# Allegro board board_orcad.brd (continued)
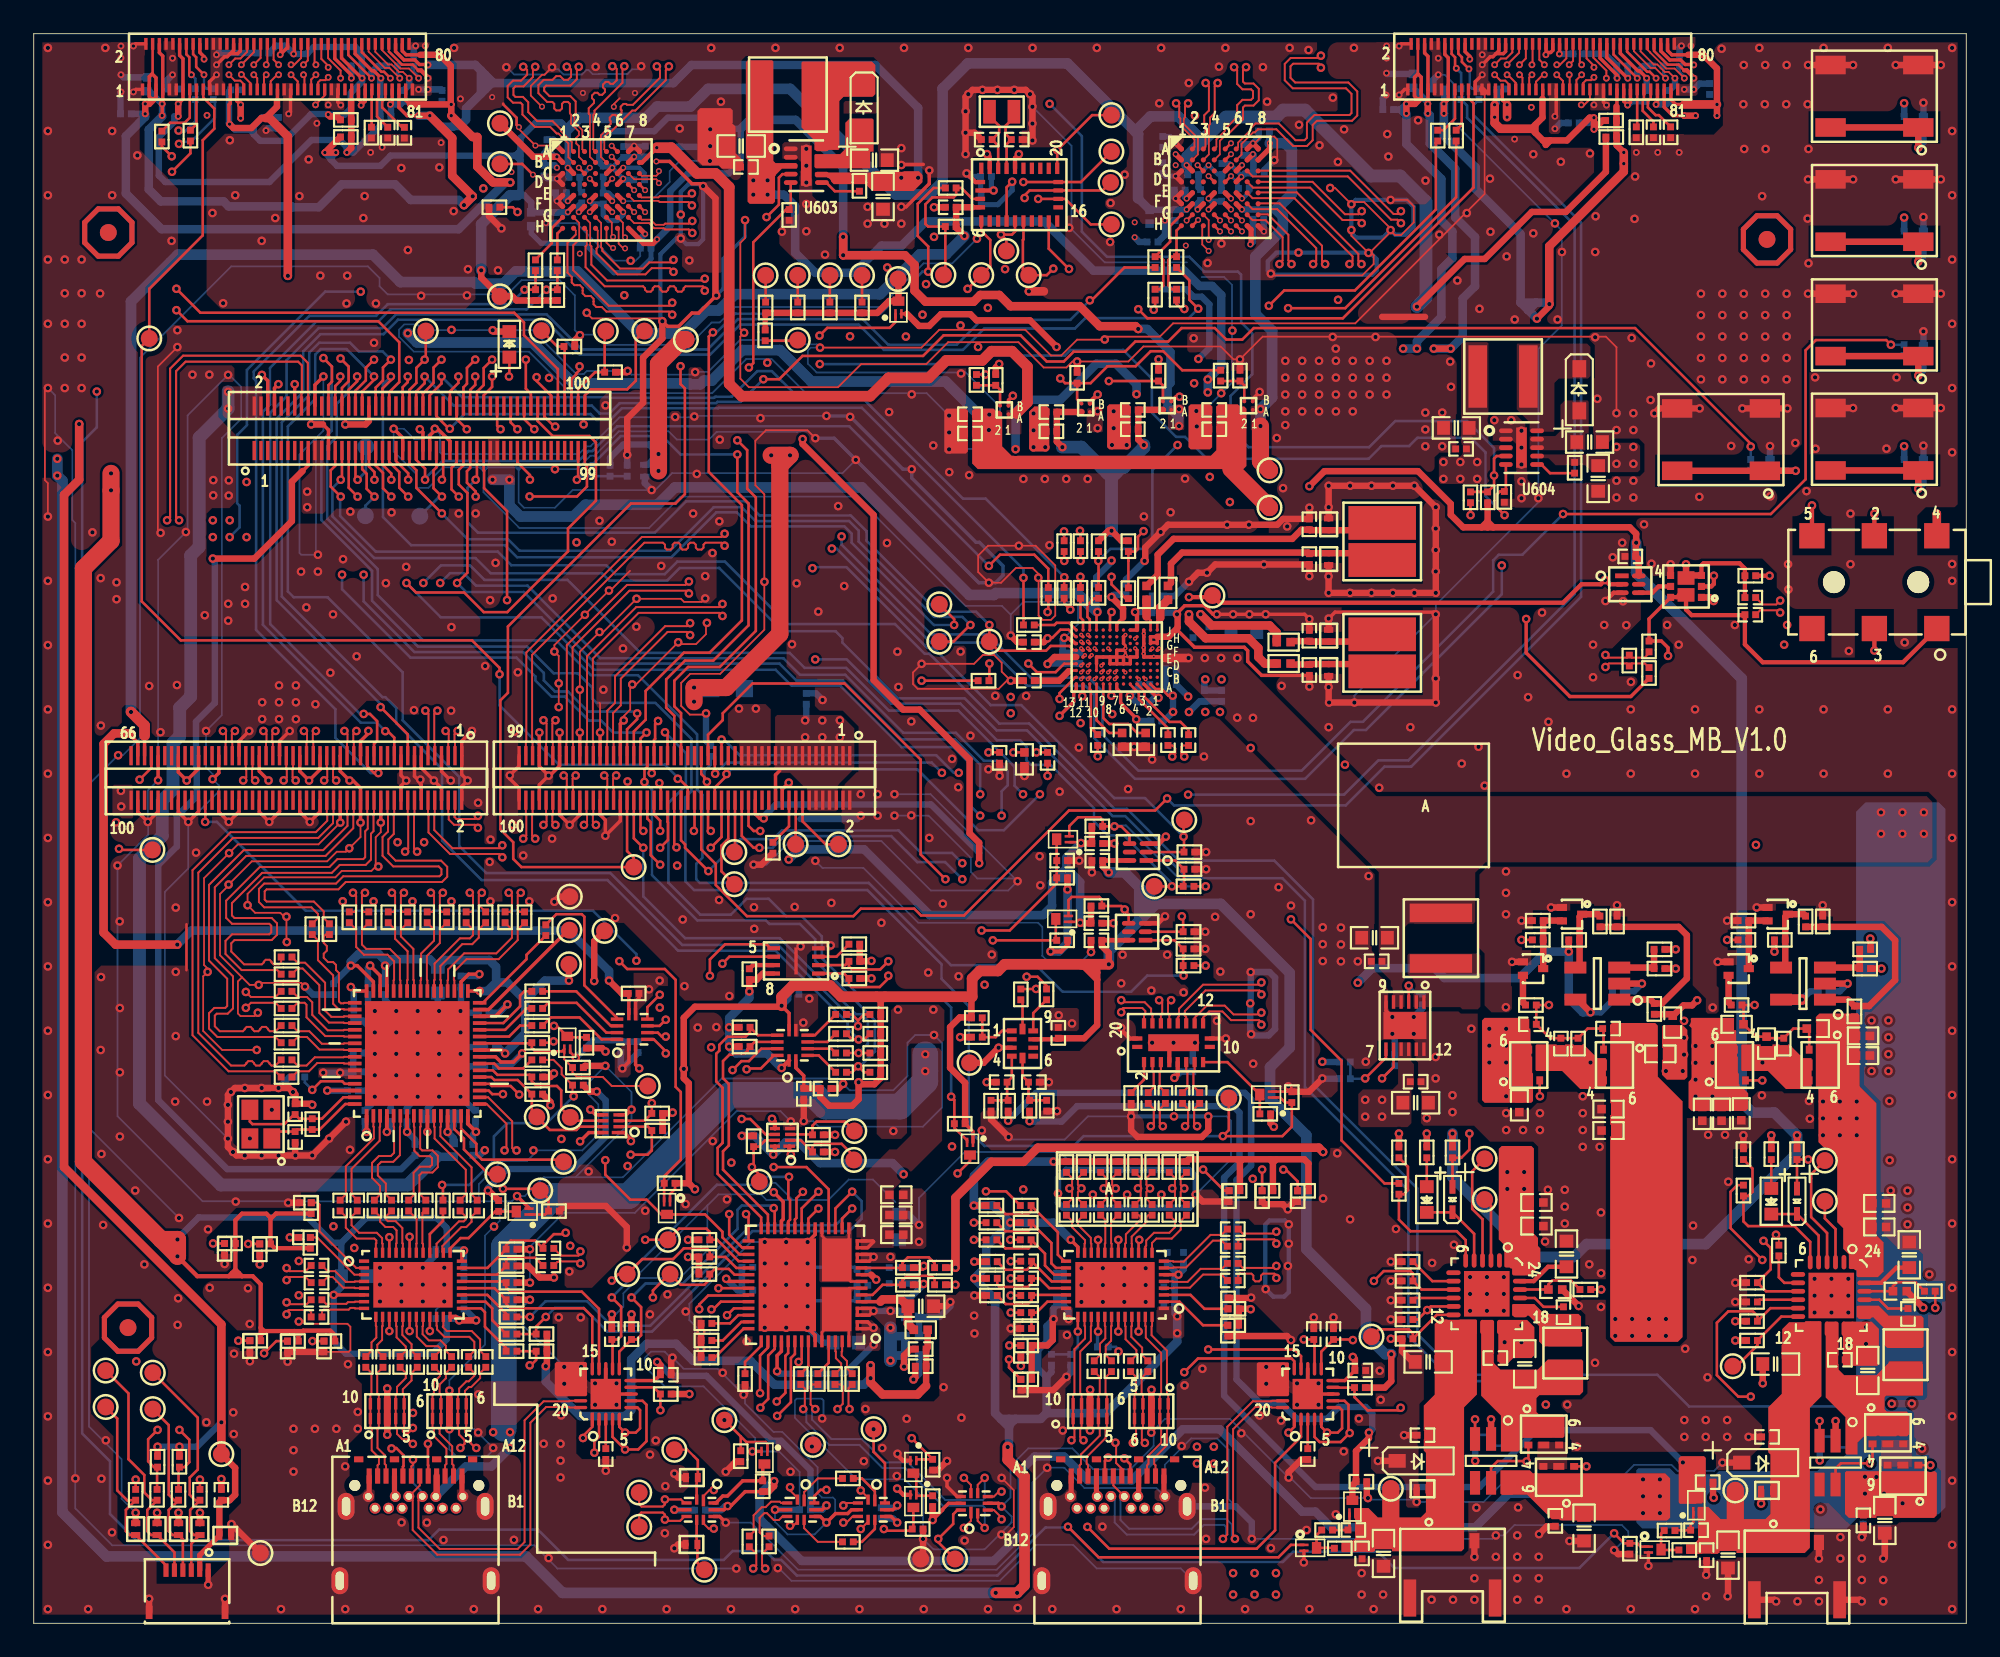
[diagram p0: board, top side]
## Footprints (pads in the part's own frame, mm; a bottom-side part is the same pattern mirrored in y, then rotated) (continued)
TPS65988DJ_QFN56
  rect 0.2x0.6 smd: (-3.1,2.4) (-3.1,1.6) (-3.1,-1.6) (-3.1,-2.4)
  rect 0.7x0.2 smd: 1(-3.35,2.6) 2(-3.35,2.2) 3(-3.35,1.8) 4(-3.35,1.4) 5(-3.35,1) 6(-3.35,0.6) 7(-3.35,0.2) 8(-3.35,-0.2) 9(-3.35,-0.6) 10(-3.35,-1) 11(-3.35,-1.4) 12(-3.35,-1.8) 13(-3.35,-2.2) 14(-3.35,-2.6) 29(3.35,-2.6) 30(3.35,-2.2) 31(3.35,-1.8) 32(3.35,-1.4) 33(3.35,-1) 34(3.35,-0.6) 35(3.35,-0.2) 36(3.35,0.2) 37(3.35,0.6) 38(3.35,1) 39(3.35,1.4) 40(3.35,1.8) 41(3.35,2.2) 42(3.35,2.6)
  rect 0.2x0.7 smd: 15(-2.6,-3.35) 16(-2.2,-3.35) 17(-1.8,-3.35) 18(-1.4,-3.35) 19(-1,-3.35) 20(-0.6,-3.35) 21(-0.2,-3.35) 22(0.2,-3.35) 23(0.6,-3.35) 24(1,-3.35) 25(1.4,-3.35) 26(1.8,-3.35) 27(2.2,-3.35) 28(2.6,-3.35) 43(2.6,3.35) 44(2.2,3.35) 45(1.8,3.35) 46(1.4,3.35) 47(1,3.35) 48(0.6,3.35) 49(0.2,3.35) 50(-0.2,3.35) 51(-0.6,3.35) 52(-1,3.35) 53(-1.4,3.35) 54(-1.8,3.35) 55(-2.2,3.35) 56(-2.6,3.35)
  rect 1.75x2.6 smd: 57(-1.875,1.45)
  rect 1.75x2.55 smd: 58(-1.875,-1.475)
  rect 3.4x5.5 smd: 59(1.05,0)
TS3USB30E_UQFN
  rect 0.7x0.2 smd: 1(-0.55,0.2)
  rect 0.6x0.2 smd: 2(-0.6,-0.2) 6(0.6,-0.2) 7(0.6,0.2)
  rect 0.2x0.6 smd: 3(-0.4,-0.8) 4(0,-0.8) 5(0.4,-0.8) 8(0.4,0.8) 9(0,0.8) 10(-0.4,0.8)
TSOT-23-6
  rect 0.6x1.4 smd: 1(-0.95,-1.3) 2(0,-1.3) 3(0.95,-1.3) 4(0.95,1.3) 5(0,1.3) 6(-0.95,1.3)
TUSB564_WQFN40
  rect 0.6x0.2 smd: 1(-2.9,1.4) 2(-2.9,1) 3(-2.9,0.6) 4(-2.9,0.2) 5(-2.9,-0.2) 6(-2.9,-0.6) 7(-2.9,-1) 8(-2.9,-1.4) 21(2.9,-1.4) 22(2.9,-1) 23(2.9,-0.6) 24(2.9,-0.2) 25(2.9,0.2) 26(2.9,0.6) 27(2.9,1) 28(2.9,1.4)
  rect 0.2x0.6 smd: 9(-2.2,-1.9) 10(-1.8,-1.9) 11(-1.4,-1.9) 12(-1,-1.9) 13(-0.6,-1.9) 14(-0.2,-1.9) 15(0.2,-1.9) 16(0.6,-1.9) 17(1,-1.9) 18(1.4,-1.9) 19(1.8,-1.9) 20(2.2,-1.9) 29(2.2,1.9) 30(1.8,1.9) 31(1.4,1.9) 32(1,1.9) 33(0.6,1.9) 34(0.2,1.9) 35(-0.2,1.9) 36(-0.6,1.9) 37(-1,1.9) 38(-1.4,1.9) 39(-1.8,1.9) 40(-2.2,1.9)
  rect 4.7x2.7 smd: 41(0,0)
TYPE-C-31-M-04
  round 0.65 hole 0.65 unplated: (0,0) (7.35,0)
  rect 0.55x0.35 smd: (0.23,1.55) (2.35,1.55) (4.85,1.55) (6.98,1.55)
  oval 1x1.6 hole 0.5x1.1: 1(-0.52,-1.24) 2(7.72,-1.24) 3(-0.89,-5.65) 4(8.08,-5.65)
  rect 0.3x0.9 smd: A1(0.85,0.56) A2(1.35,0.56) A3(1.85,0.56) A4(2.35,0.56) A5(2.85,0.56) A6(3.35,0.56) A7(3.85,0.56) A8(4.35,0.56) A9(4.85,0.56) A10(5.35,0.56) A11(5.85,0.56) A12(6.35,0.56)
  round 0.65 hole 0.4: B1(6.4,-0.65) B2(6,-1.35) B3(5.2,-1.35) B4(4.8,-0.65) B5(4.4,-1.35) B6(4,-0.65) B7(3.2,-0.65) B8(2.8,-1.35) B9(2.4,-0.65) B10(2,-1.35) B11(1.2,-1.35) B12(0.8,-0.65)
unnamed
  round 1 smd: 1(0,0)
WLCSP-0R90R9-4B
  round 0.23 smd: A1(-0.25,0.25) A2(0.25,0.25) B1(-0.25,-0.25) B2(0.25,-0.25)
WM8998_WCSP_117BALL
  round 0.2 smd: A1(-2.4,1.6) A2(-2,1.6) A3(-1.6,1.6) A4(-1.2,1.6) A5(-0.8,1.6) A6(-0.4,1.6) A7(0,1.6) A8(0.4,1.6) A9(0.8,1.6) A10(1.2,1.6) A11(1.6,1.6) A12(2,1.6) A13(2.4,1.6) B1(-2.4,1.2) B2(-2,1.2) B3(-1.6,1.2) B4(-1.2,1.2) B5(-0.8,1.2) B6(-0.4,1.2) B7(0,1.2) B8(0.4,1.2) B9(0.8,1.2) B10(1.2,1.2) B11(1.6,1.2) B12(2,1.2) B13(2.4,1.2) C1(-2.4,0.8) C2(-2,0.8) C3(-1.6,0.8) C4(-1.2,0.8) C5(-0.8,0.8) C6(-0.4,0.8) C7(0,0.8) C8(0.4,0.8) C9(0.8,0.8) C10(1.2,0.8) C11(1.6,0.8) C12(2,0.8) C13(2.4,0.8) D1(-2.4,0.4) D2(-2,0.4) D3(-1.6,0.4) D4(-1.2,0.4) D5(-0.8,0.4) D6(-0.4,0.4) D7(0,0.4) D8(0.4,0.4) D9(0.8,0.4) D10(1.2,0.4) D11(1.6,0.4) D12(2,0.4) D13(2.4,0.4) E1(-2.4,0) E2(-2,0) E3(-1.6,0) E4(-1.2,0) E5(-0.8,0) E6(-0.4,0) E7(0,0) E8(0.4,0) E9(0.8,0) E10(1.2,0) E11(1.6,0) E12(2,0) E13(2.4,0) F1(-2.4,-0.4) F2(-2,-0.4) F3(-1.6,-0.4) F4(-1.2,-0.4) F5(-0.8,-0.4) F6(-0.4,-0.4) F7(0,-0.4) F8(0.4,-0.4) F9(0.8,-0.4) F10(1.2,-0.4) F11(1.6,-0.4) F12(2,-0.4) F13(2.4,-0.4) G1(-2.4,-0.8) G2(-2,-0.8) G3(-1.6,-0.8) G4(-1.2,-0.8) G5(-0.8,-0.8) G6(-0.4,-0.8) G7(0,-0.8) G8(0.4,-0.8) G9(0.8,-0.8) G10(1.2,-0.8) G11(1.6,-0.8) G12(2,-0.8) G13(2.4,-0.8) H1(-2.4,-1.2) H2(-2,-1.2) H3(-1.6,-1.2) H4(-1.2,-1.2) H5(-0.8,-1.2) H6(-0.4,-1.2) H7(0,-1.2) H8(0.4,-1.2) H9(0.8,-1.2) H10(1.2,-1.2) H11(1.6,-1.2) H12(2,-1.2) H13(2.4,-1.2) J1(-2.4,-1.6) J2(-2,-1.6) J3(-1.6,-1.6) J4(-1.2,-1.6) J5(-0.8,-1.6) J6(-0.4,-1.6) J7(0,-1.6) J8(0.4,-1.6) J9(0.8,-1.6) J10(1.2,-1.6) J11(1.6,-1.6) J12(2,-1.6) J13(2.4,-1.6)
WSON_8_3X2
  rect 0.25x0.75 smd: 1(-0.75,-1.325) 2(-0.25,-1.325) 3(0.25,-1.325) 4(0.75,-1.325) 5(0.75,1.325) 6(0.25,1.325) 7(-0.25,1.325) 8(-0.75,1.325)
  rect 1.6x0.2 smd: 9(0,0)

## Nets
GND: C401.2 C402.2 C403.2 C404.2 C405.2 C406.2 C407.2 C408.2 C409.2 C410.2 C411.2 C412.2 C413.2 C436.2 C437.2 C438.2 C519.2 C520.2 C521.2 C522.2 C523.2 C524.2 C529.2 C530.2 C531.2 C532.2 C533.2 C534.2 C535.2 C536.2 C537.2 C601.2 C602.2 C603.2 C604.2 C605.2 C606.2 C607.2 C608.2 C609.2 C610.2 C611.2 C612.2 C613.2 C614.2 C615.2 C616.2 C617.2 C618.2 C619.2 C620.2 C621.2 C622.2 C623.2 C624.2 C625.2 C626.2 C627.2 C628.2 C629.2 C630.2 C631.2 C632.2 C633.2 C634.2 C635.1 C636.1 C637.1 C638.1 C639.2 C640.1 C641.2 C642.1 C643.1 C644.1 C645.1 C646.1 C647.1 C648.1 C649.1 C650.1 C651.1 C652.1 C653.2 C654.1 C655.2 C656.1 C657.1 C658.1 C659.1 C660.1 C661.1 C662.1 C701.2 C702.2 C703.2 C704.2 C705.2 C706.2 C707.2 C708.2 C709.2 C710.2 C711.2 C712.2 C713.2 C714.2 C715.2 C716.2 C717.2 C718.2 C719.2 C720.2 C722.2 C723.2 C724.2 C725.2 C726.2 C727.2 C728.2 C729.2 C730.2 C731.2 C732.2 C733.2 C734.2 C735.2 C736.2 C801.2 C802.2 C803.2 C804.2 C805.2 C806.2 C807.2 C808.2 C809.2 C810.1 C811.2 C812.1 C813.1 C814.1 C815.2 C816.2 C817.1 C821.2 C822.2 C823.2 C824.2 C825.2 C826.1 C830.2 C831.2 C832.2 C833.2 C834.2 C835.2 C836.2 C901.2 C902.2 C903.1 C905.1 C906.2 C907.2 C908.2 C909.1 C911.1 C912.2 C913.1 C914.2 C917.1 C918.1 C919.2 C920.2 C921.1 C922.2 C923.1 C924.2 C925.2 C926.2 C927.2 C928.2 C929.2 C930.1 C931.2 C932.1 C933.2 C934.2 C935.2 C1001.2 C1002.2 C1004.2 C1005.2 C1007.2 C1010.2 C1011.2 C1012.2 C1013.2 C1014.2 C1015.2 C1016.2 C1017.2 C1018.2 C1019.2 C1020.2 C1021.2 C1022.2 C1023.2 C1024.2 C1027.2 C1028.2 C1029.2 C1030.2 C1031.2 C1032.2 C1033.2 C1101.2 C1102.2 C1103.2 C1104.2 C1105.2 C1106.1 D605.1 D606.1 J301.2 J301.4 J301.22 J301.69 J301.70 J301.75 J301.76 J301.81 J301.82 J301.87 J301.88 J301.93 J301.94 J301.99 J301.100 J302.8 J302.14 J302.20 J302.45 J302.53 J302.59 J401.1 J401.2 J401.3 J401.4 J401.A1 J401.A12 J401.B1 J401.B12 J501.1 J501.2 J501.7 J501.8 J501.13 J501.14 J501.15 J501.19 J501.20 J501.26 J501.31 J501.32 J501.37 J501.38 J501.43 J501.44 J501.49 J501.50 J501.55 J501.56 J501.61 J501.62 J501.67 J501.68 J501.73 J501.74 J501.79 J501.80 J501.85 J501.86 J501.91 J501.92 J501.98 J502.1 J502.2 J502.3 J502.4 J502.A1 J502.A12 J502.B1 J502.B12 J601.1 J601.2 J601.8 J601.9 J601.10 J601.11 J601.18 J601.21 J601.22 J601.23 J601.24 J601.25 J601.28 J601.29 J601.30 J601.42 J601.43 J601.44 J601.45 J601.57 J601.58 J601.59 J601.62 J601.65 J601.66 J601.67 J601.74 J601.75 J601.80 J601.81 J602.1 J602.2 J602.8 J602.9 J602.10 J602.11 J602.18 J602.21 J602.22 J602.23 J602.24 J602.25 J602.28 J602.29 J602.30 J602.42 J602.43 J602.44 J602.45 J602.57 J602.58 J602.59 J602.62 J602.65 J602.66 J602.67 J602.74 J602.75 J602.80 J602.81 J901.2 J901.3 J901.4 J902.2 J902.3 J902.4 J1101.3 J1101.4 J1102.3 J1102.4 J1103.3 J1103.4 J1104.3 J1104.4 J1105.1 J1105.7 J1105.8 J1106.3 J1106.4 LED304.2 Q402.2 Q403.2 Q404.2 Q405.2 Q503.2 Q703.2 Q803.2 Q804.2 Q805.2 Q808.2 Q812.2 R301.2 R304.1 R305.2 R306.2 R404.1 R405.1 R411.2 R413.2 R415.2 R417.2 R419.2 R421.2 R423.2 R425.2 R429.1 R434.2 R435.2 R510.1 R513.2 R515.2 R516.2 R525.1 R528.2 R530.2 R532.2 R534.2 R536.2 R538.2 R540.2 R541.2 R607.1 R609.1 R622.1 R628.1 R684.2 R694.2 R708.2 R712.1 R713.1 R717.1 R718.1 R719.1 R721.1 R722.1 R723.1 R727.1 R754.2 R801.1 R802.1 R803.1 R804.1 R810.1 R812.1 R818.1 R819.1 R821.2 R822.2 R843.1 R844.1 R848.1 R852.1 R856.1 R857.1 R860.2 R902.1 R903.1 R904.1 R906.2 R908.1 R909.1 R910.1 R912.2 R915.1 R916.1 R919.1 R921.1 R926.2 R928.2 R932.2 R933.1 R934.1 R936.1 T409.1 T410.1 T411.1 T901.1 T902.1 T1001.1 T1002.1 T1003.1 T1004.1 T1101.1 T1102.1 T1103.1 T1104.1 T1105.1 T1106.1 T1107.1 T1108.1 T1109.1 T1110.1 TP404.1 TP715.1 TP913.1 TP1106.1 U401.41 U402.8 U402.13 U402.16 U402.17 U402.18 U402.21 U403.4 U403.8 U404.4 U404.8 U405.4 U405.8 U406.3 U406.8 U407.3 U407.8 U501.41 U502.4 U502.8 U503.5 U503.11 U503.20 U503.21 U504.8 U504.13 U504.16 U504.17 U504.18 U504.21 U505.3 U505.8 U506.3 U506.8 U601.A1 U601.A7 U601.A8 U601.C1 U601.C6 U601.D1 U601.E1 U601.E5 U601.E6 U601.F1 U601.F4 U601.F5 U601.H8 U602.A1 U602.A7 U602.A8 U602.C1 U602.C6 U602.D1 U602.E1 U602.E5 U602.E6 U602.F1 U602.F4 U602.F5 U602.H8 U603.1 U603.2 U603.11 U604.1 U604.2 U604.11 U701.7 U702.4 U703.3 U704.3 U705.65 U708.B1 U709.B1 U710.B1 U711.B1 U801.20 U801.51 U801.59 U802.4 U802.9 U803.6 U803.11 U803.12 U803.13 U804.4 U805.7 U807.2 U808.2 U901.17 U901.18 U901.25 U902.17 U902.18 U902.25 U903.2 U904.2 U905.3 U1001.A2 U1001.B7 U1001.C10 U1001.D5 U1001.D6 U1001.D7 U1001.D8 U1001.D10 U1001.E4 U1001.E5 U1001.E6 U1001.E7 U1001.E8 U1001.E9 U1001.E10 U1001.E12 U1001.F4 U1001.F6 U1001.F7 U1001.G1 U1001.G2 U1001.G6 U1001.G13 U1001.H1 U1001.H2 U1001.H4 U1001.H6 U1002.1 U1002.4 U1003.3 U1101.2 U1101.25 X701.2 X701.4
546_EN: Q404.3 R436.2 U401.29
4212_SEL: Q503.3 R542.2 U503.9
APQ_REOUT_N: J302.61 Q301.1
AUXN: C425.1 R411.1 R720.1 U401.27
BACKLIGHT_EN: J301.67 R606.2
BOOT_CONF_1P8: Q301.3 R310.2 R311.2 R312.2 R313.2 R314.2 TP306.1
BOOT_CONFIG1: R312.1 TP310.1
BOOT_CONFIG2: R313.1 TP308.1
BOOT_CONFIG3: R314.1 TP307.1
BTN_PHONE_ON_N: J301.32 R1104.1
CAM0_RST_N: J302.42 R706.2 R717.2 TP702.1 U703.1
CAM0_STANDBY_N: J302.28 R709.2 R719.2 U704.1
CAM1_RST_N: J302.92 R708.1 TP703.1 U703.2
CAM1_STANDBY_N: J301.43 R718.2 U704.2
CCI_I2C_SCL0: J501.27 R633.2 R704.1 U702.2
CCI_I2C_SDA0: J501.17 R634.2 R705.1 U702.3
CDC_MCLK: J302.49 R1003.1
CHG_PWR: C817.2 C818.1 C822.1 C823.1 C826.2 C827.1 C901.1 C902.1 C907.1 C908.1 Q801.1 Q801.2 Q801.5 Q801.6 Q801.8 Q806.1 Q806.2 Q806.5 Q806.6 Q806.8 R839.2 R849.2 R923.1 R925.1 U901.1 U901.24 U902.1 U902.24
CODEC_DATA: R1017.2 U701.6
CODEC_INT1_N: J302.47 TP1003.1 U1001.F11
CODEC_LDOENA: J302.67 TP1001.1 U1001.F13
CODEC_MCLK: R1004.1 U701.5
CODEC_RESET_N: J302.40 TP1002.1 U1001.D9
CODEC_SCL: J301.60 R1002.1 R1019.2
CODEC_SCLK: R1015.2 U701.4
CODEC_SDA: J301.62 R1001.1 R1018.2
CODEC_WS: R1016.2 U701.3
CTRL: R605.1 R606.1 U603.4 U604.4
DP_D0+: C426.2 U705.2
DP_D0-: C427.2 U705.3
DP_D1+: C428.2 U705.5
DP_D1-: C429.2 U705.6
DP_D2+: C430.2 U705.8
DP_D2-: C431.2 U705.9
DP_D3+: C432.2 U705.11
DP_D3-: C433.2 U705.12
DPEQ0/A1: R527.2 R528.1 U501.14
DPEQ1: R529.2 R530.1 U501.2
DRAIN1: U801.8 U801.15 U801.19 U801.58
DRAIN2: U801.7 U801.52 U801.56 U801.57
EQ0: R531.2 R532.1 U501.38
EQ1: R533.2 R534.1 U501.35
FAST_BOOT_0: J302.94 R306.1 TP303.1
FORCED_USB_BOOT: J302.100 TP305.1
FORCED_USB_BOOT1: R310.1 TP311.1
GPIO5: Q703.1 R720.2 R754.1 TP712.1 U705.26
GPIO5_CPU: J301.59 Q703.3 R726.2
GPIO14: R803.2 U801.42
GPIO15: R804.2 U801.43
GPIO76_BACK_KEY: J302.50 R1111.1
GPIO77_BOOT_UP: J302.52 Q402.1 Q403.1 R932.1
GPSWN: R1010.1 R1011.2 U1001.D11
GPSWP: R1009.1 R1010.2 U1001.D12
GYRO_INT: J301.68 TP1110.1 U1101.14
HDMI_DDC_CLOCK: J301.61 R823.1 R830.1
HDMI_DDC_DATA: J301.66 R824.1 R829.1
HDMI_HOT_PLUG_DETECT: J301.55 Q502.2 R511.2
HDMI_TCLK_N: C507.1 J501.10 R503.2
HDMI_TCLK_P: C508.1 J501.12 R504.2
HDMI_TX0_N: C505.1 J501.3 R501.2
HDMI_TX0_P: C506.1 J501.5 R502.2
HDMI_TX1_N: C510.1 J501.4 R506.2
HDMI_TX1_P: C509.1 J501.6 R505.2
HDMI_TX2_N: C512.1 J501.9 R508.2
HDMI_TX2_P: C511.1 J501.11 R507.2
HOME_KEY: J302.69 R1103.1
HPOUTFB1/MICDET2: C1026.2 J1003.4 R1012.1 U1001.A13 U1002.3 U1002.8
HPOUTL: J1003.2 U1001.B8 U1001.B12
HPOUTR: J1003.3 U1001.A8 U1001.A12
HRESET: Q811.3 R821.1 U801.44
I2C1_IRQZ: R836.1 TP807.1 U801.29 U804.7
I2C1_SCL: R832.1 U801.27 U805.10
I2C1_SDA: R831.1 U801.28 U805.9
I2C2_IRQZ: R835.1 TP808.1 U801.34 U804.6
I2C2_SCL: R838.1 TP805.1 U801.32 U805.12
I2C2_SDA: R837.1 TP806.1 U801.33 U805.11
I2C_EN: R539.2 R540.1 U501.17
I2C_L_SCL: J501.29 R624.1 R631.2
I2C_L_SDA: J501.21 R625.1 R632.2
I2C_LEVEL_SCL1: R825.2 U805.5
I2C_LEVEL_SCL2: R823.2 U805.3
I2C_LEVEL_SDA1: R826.2 U805.6
I2C_LEVEL_SDA2: R824.2 U805.4
I2C_R_SCL: J301.56 R626.1 R629.2
I2C_R_SDA: J301.54 R627.1 R630.2
I2C_SCL: J302.38 R825.1 R834.1 R907.2
I2C_SDA: J302.34 R826.1 R833.1 R917.2
IIS_DATA: R753.1 U701.9
IIS_MCLK: R752.1 U701.10
IIS_SCLK: R751.1 U701.11
IIS_WS: R750.1 U701.12
IN4N: C1026.1 U1001.B3
IN4P: C1025.1 U1001.B4
JACKDET: J1003.5 U1001.C8
L_775_EN: J301.64 R722.2 R725.2 U708.B2
L_AUXN: C425.2 U705.18
L_AUXP: C424.2 U705.17
L_BAT_CTL: J302.25 R922.1
L_C_CC1: J401.A5 U402.4 U402.7
L_C_CC2: J401.B5 U402.5 U402.6
L_C_SBU1: J401.A8 U402.1
L_C_SBU2: J401.B8 U402.2
L_CC1: C402.1 U402.12 U801.24
L_CC2: C401.1 U402.11 U801.26
L_CHG_CE: J302.26 R915.2 U902.9
L_CHG_STAT: D604.1 J302.32 R924.2
L_D+: R432.2 U404.1
L_D-: R433.2 U404.7
L_DPEQ0: R412.2 R413.1 U401.35
L_DPEQ1: R414.2 R415.1 U401.2
L_EN: J301.51 R609.2 U603.5
L_EQ0: R416.2 R417.1 U401.11
L_EQ1: R418.2 R419.1 U401.14
L_FAULT: J302.88 R401.2 U402.9
L_HPDIN: J301.40 Q401.2 R426.2
L_I2C_EN: R424.2 R425.1 U401.17
L_LCD_RST: J301.50 J601.19 TP605.1
L_LCD_VCCP: C635.2 C648.2 J601.3 J601.4 J601.5 J601.78 J601.79
L_OTG: J301.39 R914.1
L_RESET: J302.48 TP604.1 U602.D4
L_RX1+: C419.1 J401.B11 U406.4 U406.7
L_RX1-: C418.1 J401.B10 U406.5 U406.6
L_RX2+: C435.1 J401.A11 U407.2 U407.9
L_RX2-: C434.1 J401.A10 U407.1 U407.10
L_SBU1: R405.2 U401.24 U402.15
L_SBU2: R404.2 U401.25 U402.14
L_SPI_CLK: J302.41 R611.2
L_SPI_CS: J302.35 R623.2
L_SPI_MISO: J302.39 R613.2
L_SPI_MOSI: J302.37 R612.2
L_SSEQ0: R420.2 R421.1 U401.38
L_SSEQ1: R422.2 R423.1 U401.3
L_SSRXN: C421.2 U503.18
L_SSRXP: C420.2 U503.19
L_SSTXN: C423.2 U503.16
L_SSTXP: C422.2 U503.17
L_STAT: D604.2 LED302.2 U902.5
L_STBY: J302.43 TP603.1 U602.C3
L_TX1+: C417.1 J401.A2 U406.1 U406.10
L_TX1-: C416.1 J401.A3 U406.2 U406.9
L_TX2+: C414.1 J401.B2 U407.5 U407.6
L_TX2-: C415.1 J401.B3 U407.4 U407.7
L_VBAT: C912.1 C931.1 C932.2 C935.1 C937.1 D606.2 J902.1 Q810.2 R931.1 T902.2 TP911.1 U902.13 U902.14
L_VBUS: C405.1 C406.1 C407.1 C408.1 C816.1 C824.1 C829.1 J401.A4 J401.A9 J401.B4 J401.B9 Q802.1 Q802.2 Q802.5 Q802.6 Q802.8 U801.13 U801.14
L_VDD1_1V8: C637.2 C642.2 J601.12 J601.13 J601.63 J601.64 R614.1 R615.1
L_VDD_10V: C604.1 C636.2 J601.6 J601.7 J601.76 J601.77 R610.2 U603.7
LCD_1V2_L: C613.1 C614.1 C615.1 C616.1 C617.1 C618.1 TP706.1 U602.B1 U602.B8 U602.E2 U602.E4 U602.F3 U602.F6 U710.A1
LCD_1V2_R: C619.1 C620.1 C621.1 C622.1 C623.1 C624.1 TP705.1 U601.B1 U601.B8 U601.E2 U601.E4 U601.F3 U601.F6 U711.A1
LCD_1V8_L: C630.1 C631.1 C632.1 C633.1 C634.1 R601.1 U602.B7 U602.C5 U602.D6 U602.H7 U708.A1
LCD_1V8_R: C625.1 C626.1 C627.1 C628.1 C629.1 R602.1 U601.B7 U601.C5 U601.D6 U601.H7 U709.A1
LL_VBAT: C933.1 Q810.3 R929.1
LLV1A: J601.31 U602.F7
LLV1B: J601.32 U602.F8
LLV2A: J601.33 U602.C7
LLV2B: J601.34 U602.C8
LLV3A: J601.35 U602.D7
LLV3B: J601.36 U602.D8
LLV4A: J601.37 U602.E7
LLV4B: J601.38 U602.E8
LLV5A: J601.39 U602.G7
LLV5B: J601.40 U602.G8
LLV6A: J601.53 U602.B2
LLV6B: J601.54 U602.A2
LLV7A: J601.51 U602.B3
LLV7B: J601.52 U602.A3
LLV8A: J601.49 U602.B4
LLV8B: J601.50 U602.A4
LLV9A: J601.47 U602.B6
LLV9B: J601.48 U602.A6
LLV10A: J601.55 U602.B5
LLV10B: J601.56 U602.A5
LT_I2C_SCL: R703.1 TP710.1 U702.7 U705.21
LT_I2C_SDA: R702.1 TP709.1 U702.6 U705.22
LT_VCC12: C717.1 C718.1 C719.1 C720.1 C722.1 C723.1 C724.1 C725.1 C726.1 C727.1 R715.1 TP713.1 U705.1 U705.4 U705.10 U705.13 U705.24 U705.30 U705.34 U705.46 U705.48 U705.59 U705.60
LT_VCC33: C703.1 C704.1 C709.1 C710.1 C711.1 C712.1 C713.1 C714.1 C715.1 C716.1 R702.2 R703.2 R711.1 R714.1 R716.2 TP714.1 U701.1 U702.8 U705.7 U705.16 U705.25 U705.33 U705.45 U705.47 U705.62
MICBIAS1: C1027.1 C1028.1 R1009.2 U1001.C7
MICBIAS2: C1029.1 C1030.1 R1012.2 U1001.C6
MICDET1/HPOUTFB2: C1025.2 J1003.1 R1011.1 U1001.B13 U1002.6 U1002.7
MICVDD: C1010.1 U1001.C13
MIPI_CSI0_CLK_N: J501.18 R734.2
MIPI_CSI0_CLK_P: J501.16 R735.2
MIPI_CSI0_LANE0_N: J501.24 R738.2
MIPI_CSI0_LANE0_P: J501.22 R739.2
MIPI_CSI0_LANE1_N: J501.30 R736.2
MIPI_CSI0_LANE1_P: J501.28 R737.2
MIPI_CSI0_LANE2_N: J501.36 R732.2
MIPI_CSI0_LANE2_P: J501.34 R733.2
MIPI_CSI0_LANE3_N: J501.42 R730.2
MIPI_CSI0_LANE3_P: J501.40 R731.2
MIPI_CSI1_CLK_N: J501.41 R744.2
MIPI_CSI1_CLK_P: J501.39 R745.2
MIPI_CSI1_LANE0_N: J501.35 R748.2
MIPI_CSI1_LANE0_P: J501.33 R749.2
MIPI_CSI1_LANE1_N: J501.45 R746.2
MIPI_CSI1_LANE1_P: J501.47 R747.2
MIPI_CSI1_LANE2_N: J501.53 R742.2
MIPI_CSI1_LANE2_P: J501.51 R743.2
MIPI_CSI1_LANE3_N: J501.59 R740.2
MIPI_CSI1_LANE3_P: J501.57 R741.2
MIPI_DSI0_CLK_N: J301.83 U601.H4
MIPI_DSI0_CLK_P: J301.85 U601.G4
MIPI_DSI0_LANE0_N: J301.74 U601.H2
MIPI_DSI0_LANE0_P: J301.72 U601.G2
MIPI_DSI0_LANE1_N: J301.77 U601.H3
MIPI_DSI0_LANE1_P: J301.79 U601.G3
MIPI_DSI0_LANE2_N: J301.73 U601.H5
MIPI_DSI0_LANE2_P: J301.71 U601.G5
MIPI_DSI0_LANE3_N: J301.97 U601.H6
MIPI_DSI0_LANE3_P: J301.95 U601.G6
MIPI_DSI1_CLK_N: J301.91 U602.H4
MIPI_DSI1_CLK_P: J301.89 U602.G4
MIPI_DSI1_LANE0_N: J301.86 U602.H2
MIPI_DSI1_LANE0_P: J301.84 U602.G2
MIPI_DSI1_LANE1_N: J301.78 U602.H3
MIPI_DSI1_LANE1_P: J301.80 U602.G3
MIPI_DSI1_LANE2_N: J301.98 U602.H5
MIPI_DSI1_LANE2_P: J301.96 U602.G5
MIPI_DSI1_LANE3_N: J301.92 U602.H6
MIPI_DSI1_LANE3_P: J301.90 U602.G6
OTG_EN: J301.52 R818.2 U803.3
PA_BC_R_D+: R805.1 U502.2
PA_BC_R_D-: R806.1 U502.6
PA_DP_MODE: R524.2 U801.21
PA_POL: R521.2 U801.23
PA_PP_EXT_ENABLE: R853.2 U801.48
PA_R_D+: J502.A6 J502.B6 U502.3 U504.20
PA_R_D-: J502.A7 J502.B7 U502.5 U504.19
PA_R_HPDIN: Q502.3 R512.2 R523.2 U801.30
PA_USB3: R522.2 U801.22
PB_BC_L_D+: R807.1 U405.2
PB_BC_L_D-: R808.1 U405.6
PB_DP_MODE: R408.2 U801.16
PB_L_D+: J401.A6 J401.B6 U402.19 U405.3
PB_L_D-: J401.A7 J401.B7 U402.20 U405.5
PB_L_HPDIN: Q401.3 R409.2 R728.1 R729.2 U801.31
PB_POL: R403.2 R406.2 U801.18
PB_PP_EXT_ENABLE: R846.2 U801.49
PB_USB3: R402.2 R407.2 U801.17
PD_I2C1_IRQZ: R828.1 TP801.1 U804.2
PD_I2C2_IRQZ: R827.1 TP802.1 U804.3
PD_LDO_1V8: C806.1 C807.1 U801.35
PD_LDO_3V3: C404.1 C436.1 C438.1 C529.1 C533.1 C801.1 C802.1 C803.1 C804.1 C805.1 C821.1 C830.1 C834.1 Q811.2 R542.1 R809.1 R811.1 R814.1 R815.1 R816.1 R817.1 R820.1 R831.2 R832.2 R835.2 R836.2 R837.2 R838.2 R842.2 R854.2 U402.10 U404.9 U405.9 U502.9 U503.6 U504.10 U801.9 U802.8 U804.8 U805.1 U807.5 U808.5
PD_RESET: J302.84 Q808.1 R822.1
PD_SPI_CLK: U801.38 U802.6
PD_SPI_MISO: R817.2 U801.36 U802.2
PD_SPI_MOSI: U801.37 U802.5
PD_SPI_SS: R816.2 U801.39 U802.1
R_775_EN: J301.58 R721.2 R724.2 U709.B2
R_AUXN: C513.1 C1008.2
R_AUXP: C514.1 C1009.2
R_BAT_CTL: J302.27 R920.1
R_C_CC1: J502.A5 U504.4 U504.7
R_C_CC2: J502.B5 U504.5 U504.6
R_C_SBU1: J502.A8 U504.1
R_C_SBU2: J502.B8 U504.2
R_CC1: C531.1 U504.12 U801.45
R_CC2: C530.1 U504.11 U801.47
R_CHG_CE: J301.34 R916.2 U901.9
R_CHG_STAT: D603.1 J302.63 R913.2
R_D+: U404.2 U502.7
R_D-: U404.6 U502.1
R_EN: J302.82 R607.2 U604.5
R_FAULT: J302.86 R526.2 U504.9
R_I2C_SCL: R629.1 R633.1 U601.G1
R_I2C_SDA: R630.1 R634.1 U601.H1
R_L_D+: R430.2 U403.1
R_L_D-: R431.2 U403.7
R_LCD_RST: J302.31 J602.19 TP606.1
R_LCD_VCCP: C649.2 C662.2 J602.3 J602.4 J602.5 J602.78 J602.79
R_OTG: J301.41 R918.1
R_RESET: J302.55 TP602.1 U601.D4
R_RX1+: J502.B11 U501.30 U505.1 U505.10
R_RX1-: J502.B10 U501.31 U505.2 U505.9
R_RX2+: J502.A11 U501.40 U506.1 U506.10
R_RX2-: J502.A10 U501.39 U506.2 U506.9
R_RX2N: C502.1 U503.14
R_RX2P: C501.1 U503.15
R_SBU1: R517.2 U504.15
R_SBU2: R518.2 U504.14
R_SPI_CLK: J301.44 R619.2
R_SPI_CS: J301.42 R618.2
R_SPI_MISO: J301.48 R621.2
R_SPI_MOSI: J301.46 R620.2
R_STAT: D603.2 LED301.2 U901.5
R_STBY: J302.33 TP601.1 U601.C3
R_TX1+: C518.2 J502.A2 U505.4 U505.7
R_TX1-: C517.2 J502.A3 U505.5 U505.6
R_TX2+: C515.2 J502.B2 U506.4 U506.7
R_TX2-: C516.2 J502.B3 U506.5 U506.6
R_TX2N: C504.1 U503.12
R_TX2P: C503.1 U503.13
R_VBAT: C906.1 C929.1 C930.2 C934.1 C936.1 D605.2 J901.1 Q809.2 R930.1 T901.2 TP912.1 U901.13 U901.14
R_VBUS: C534.1 C535.1 C536.1 C537.1 C815.1 C820.1 C825.1 J502.A4 J502.A9 J502.B4 J502.B9 Q807.1 Q807.2 Q807.5 Q807.6 Q807.8 U801.3 U801.4
R_VDD1_1V8: C651.2 C656.2 J602.12 J602.13 J602.63 J602.64 R616.1 R617.1
R_VDD_10V: C608.1 C650.2 J602.6 J602.7 J602.76 J602.77 R608.2 U604.7
REXT: R713.2 U705.61
RLV1A: J602.31 U601.F7
RLV1B: J602.32 U601.F8
RLV2A: J602.33 U601.C7
RLV2B: J602.34 U601.C8
RLV3A: J602.35 U601.D7
RLV3B: J602.36 U601.D8
RLV4A: J602.37 U601.E7
RLV4B: J602.38 U601.E8
RLV5A: J602.39 U601.G7
RLV5B: J602.40 U601.G8
RLV6A: J602.53 U601.B2
RLV6B: J602.54 U601.A2
RLV7A: J602.51 U601.B3
RLV7B: J602.52 U601.A3
RLV8A: J602.49 U601.B4
RLV8B: J602.50 U601.A4
RLV9A: J602.47 U601.B6
RLV9B: J602.48 U601.A6
RLV10A: J602.55 U601.B5
RLV10B: J602.56 U601.A5
RR_VBAT: C928.1 Q809.3 R927.1
RSTIN: C728.1 Q701.3 R716.1 U705.20
RX_HPD: R729.1 U705.23
SENSOR_BOOT: J301.65 R1109.2
SLEEP_33: Q702.3 R711.2 U705.19
SLIMBUS_CLK: J302.56 R1013.2
SLIMBUS_DATA0: J302.54 R1014.2
SS_CLK_SEL: J302.46 TP1114.1 U1101.10
SSC_NRST: J302.70 TP1115.1 U1101.11
SSC_SPI_1_CLK: J302.62 TP1109.1 U1101.19
SSC_SPI_1_CS_N: J302.64 TP1113.1 U1101.18
SSC_SPI_1_MISO: J302.68 TP1108.1 U1101.20
SSC_SPI_1_MOSI: J302.66 TP1107.1 U1101.17
SSC_WAKE_PS0: J302.60 TP1112.1 U1101.6
SSEQ0/A0: R535.2 R536.1 U501.11
SSEQ1: R537.2 R538.1 U501.3
SWD_CLK: R801.2 U801.40
SWD_DAT: R802.2 U801.41
SYS_5V: C810.2 C811.1 C813.2 C814.2 R859.1 U801.1 U801.2 U801.11 U801.12 U801.25 U801.46 U803.9 U803.10
SYS_VBAT: C437.1 C524.1 C601.1 C602.1 C605.1 C606.1 C808.1 C809.1 C917.2 C918.2 C919.1 C920.1 C921.2 C922.1 C1015.1 C1016.1 C1017.1 J301.1 J301.3 J301.5 J301.6 J301.7 J301.8 J301.9 J301.10 J301.11 J301.12 J301.13 J301.14 J301.15 J301.17 J301.19 J301.21 J301.23 J301.24 L601.1 L602.1 L801.1 Q905.1 Q905.2 Q905.5 Q905.6 Q905.8 Q906.1 Q906.2 Q906.5 Q906.6 Q906.8 R437.1 U403.9 U603.3 U604.3 U803.4 U803.5 U903.6 U904.6 U1001.E1 U1001.E2 U1001.E3 U1001.F3 U1001.G3 U1001.H3 U1001.J3
TP_EINT: J302.65 R1105.2
TP_RST: J302.90 R1108.2
TP_SCL: J302.74 R1106.2 R1113.2
TP_SDA: J302.78 R1107.2 R1112.2
TUSB1064_EN: J302.29 Q404.1 R435.1 TP6.1
USB1_HS_N: J302.18 TP407.1 U403.5
USB1_HS_P: J302.16 TP408.1 U403.3
USB1_R_L_SEL: J302.99 TP406.1 U404.10
USB1_SEL: J302.96 Q405.1 R434.1 TP405.1
USB1_SS_RX_N: C526.1 J501.71
USB1_SS_RX_P: C525.1 J501.69
USB1_SS_TX_N: C528.1 J501.65
USB1_SS_TX_P: C527.1 J501.63
USB3_SEL: J302.24 Q503.1 R541.1 TP503.1
USB_D+: T409.2 TP403.1 U403.2
USB_D-: T410.2 TP402.1 U403.6
USB_HS1_VBUS_DET: J302.97 R427.2 R428.1 R429.2
USB_HUB_RESET: J302.98 R301.1 TP304.1
USB_ID: J301.53 R427.1
USB_L_SEL: J302.30 TP506.1 U405.10
USB_R_SEL: J302.57 TP501.1 U502.10
USB_VBUS_5V: R303.1 R428.2 T411.2 TP401.1
VOLUME_DOWN: J301.63 R1102.1
VOLUME_UP: J501.78 R1101.1
VREG_L14A_2P8: C1106.2 J302.36 J1105.2 R1112.1 R1113.1 T1105.2 TP1101.1
VREG_L15A_1P2: C733.1 C734.1 C735.1 C736.1 J302.6 TP704.1 U710.A2 U711.A2
VREG_L17A_3P3: J302.17 R714.2
VREG_L18A_1P8: C652.2 C653.1 C654.2 C655.1 J501.100 J602.27 J602.41 J602.46 J602.60 R617.2
VREG_L19A_1P2: J302.2 J302.4 R715.2
VREG_L21A_3P3: C409.1 C410.1 C411.1 C412.1 C413.1 C835.1 C836.1 J302.19 J302.21 R402.1 R403.1 R410.2 R412.1 R414.1 R416.1 R418.1 R420.1 R422.1 R424.1 R436.1 R728.2 R813.1 U401.6 U401.20 U401.28
VREG_L22A_2P85: C1101.1 J301.30 U1101.3
VREG_L23A_1P8: C638.2 C639.1 C640.2 C641.1 J302.23 J601.27 J601.41 J601.46 J601.60 R615.2
VREG_L29A_3P3: C519.1 C520.1 C521.1 C522.1 C523.1 J302.51 R501.1 R502.1 R503.1 R504.1 R505.1 R506.1 R507.1 R508.1 R509.1 R514.2 R519.2 R520.2 R527.1 R529.1 R531.1 R533.1 R535.1 R537.1 R539.1 U501.1 U501.6 U501.20 U501.28
VREG_LVS1A_1P8: C705.1 C706.1 J501.97 Q701.1 Q702.1 R704.2 R705.2 R707.1 R710.1 R712.2 U701.8 U702.1 U702.5
VREG_LVS2A_1P8: C1102.1 J501.95 R1110.2 U1101.5 U1101.28
VREG_S4A_1P8: C609.1 C610.1 C611.1 C612.1 C707.1 C708.1 C729.1 C730.1 C731.1 C732.1 C831.1 C832.1 C833.1 C927.1 C1018.1 C1019.1 C1020.1 C1021.1 C1022.1 C1023.1 C1024.1 C1031.1 C1032.1 C1033.1 J302.71 J302.73 Q301.2 Q401.1 Q502.1 R401.1 R426.1 R511.1 R526.1 R601.2 R602.2 R605.2 R614.2 R616.2 R624.2 R625.2 R626.2 R627.2 R726.1 R827.2 R828.2 R829.2 R830.2 R833.2 R834.2 R913.1 R924.1 R935.1 R1018.1 R1019.1 TP309.1 U601.C2 U601.F2 U602.C2 U602.F2 U701.2 U703.6 U704.6 U708.A2 U709.A2 U804.1 U804.5 U805.2 U805.8 U905.8 U1001.A3 U1001.A7 U1001.C9 U1001.E13 U1001.G12 U1001.J4 U1001.J5 U1001.J7 U1001.J10 U1003.6
VSYNC: TP701.1 U705.31
WDOG_DISABLE: R311.1 TP312.1
WM8998_GPIO5: TP1004.1 U1001.E11 U1002.2 U1003.2
XTALI: C701.1 R701.1 U705.64 X701.1
XTALO: C702.1 R701.2 U705.63 X701.3
N449180: J501.93 TP11.1
N461675: C505.2 U501.9
N461827: C506.2 U501.10
N465991: C509.2 U501.15
N465995: C510.2 U501.16
N465999: C511.2 U501.18
N466003: C512.2 U501.19
N466007: C507.2 U501.12
N466011: C508.2 U501.13
N477533: C504.2 U501.7
N477537: C503.2 U501.8
N477541: C502.2 U501.4
N477545: C501.2 U501.5
N501104: R519.1 R521.1 U501.21
N503640: R520.1 R522.1 U501.22
N514349: C515.1 U501.37
N514831: C516.1 U501.36
N574039: J301.20 R305.1
N574665: J301.25 J301.27 J301.29 J301.31 J301.33 R303.2
N574841: J301.45 R304.2
N613918: C661.2 J602.73
N614800: C660.2 J602.72
N615585: C659.2 J602.71
N616373: C658.2 J602.70
N617736: J602.69 R622.2
N619066: C657.2 J602.68
N710068: C647.2 J601.73
N710130: C646.2 J601.72
N710232: C645.2 J601.71
N710312: C644.2 J601.70
N710404: J601.69 R628.2
N710552: C643.2 J601.68
N793506: R750.2 U705.27
N794309: R751.2 U705.28
N795118: R752.2 U705.29
N797581: R753.2 U705.32
N809060: R739.1 U705.49
N809517: R738.1 U705.50
N809979: R737.1 U705.51
N810442: R736.1 U705.52
N810906: R735.1 U705.53
N811371: R734.1 U705.54
N811837: R733.1 U705.55
N812368: R732.1 U705.56
N813322: R731.1 U705.57
N813797: R730.1 U705.58
N902993: R902.2 U901.8
N903439: R903.2 U901.10
N904911: R905.1 R906.1 U901.11
N910665: C923.2 C924.1 L901.2 Q903.1 Q903.2 Q903.5 Q903.6 Q903.8 U901.15 U901.16 U903.1
N913930: C904.1 U901.21
N914415: C904.2 L901.1 U901.19 U901.20
N1022925: Q903.3 Q906.3 U903.5
N1064358: C905.2 R905.2 U901.22
N1300992: C514.2 R510.2 U501.24
N1482727: C424.1 R410.1 U401.26
N1483436: C426.1 U401.40
N1483440: C427.1 U401.39
N1484153: C428.1 U401.37
N1484157: C429.1 U401.36
N1484922: C430.1 U401.34
N1484926: C431.1 U401.33
N1485655: C432.1 U401.31
N1485659: C433.1 U401.30